# Altium PCB node24.PcbDoc (part 6 of 10) (continued)
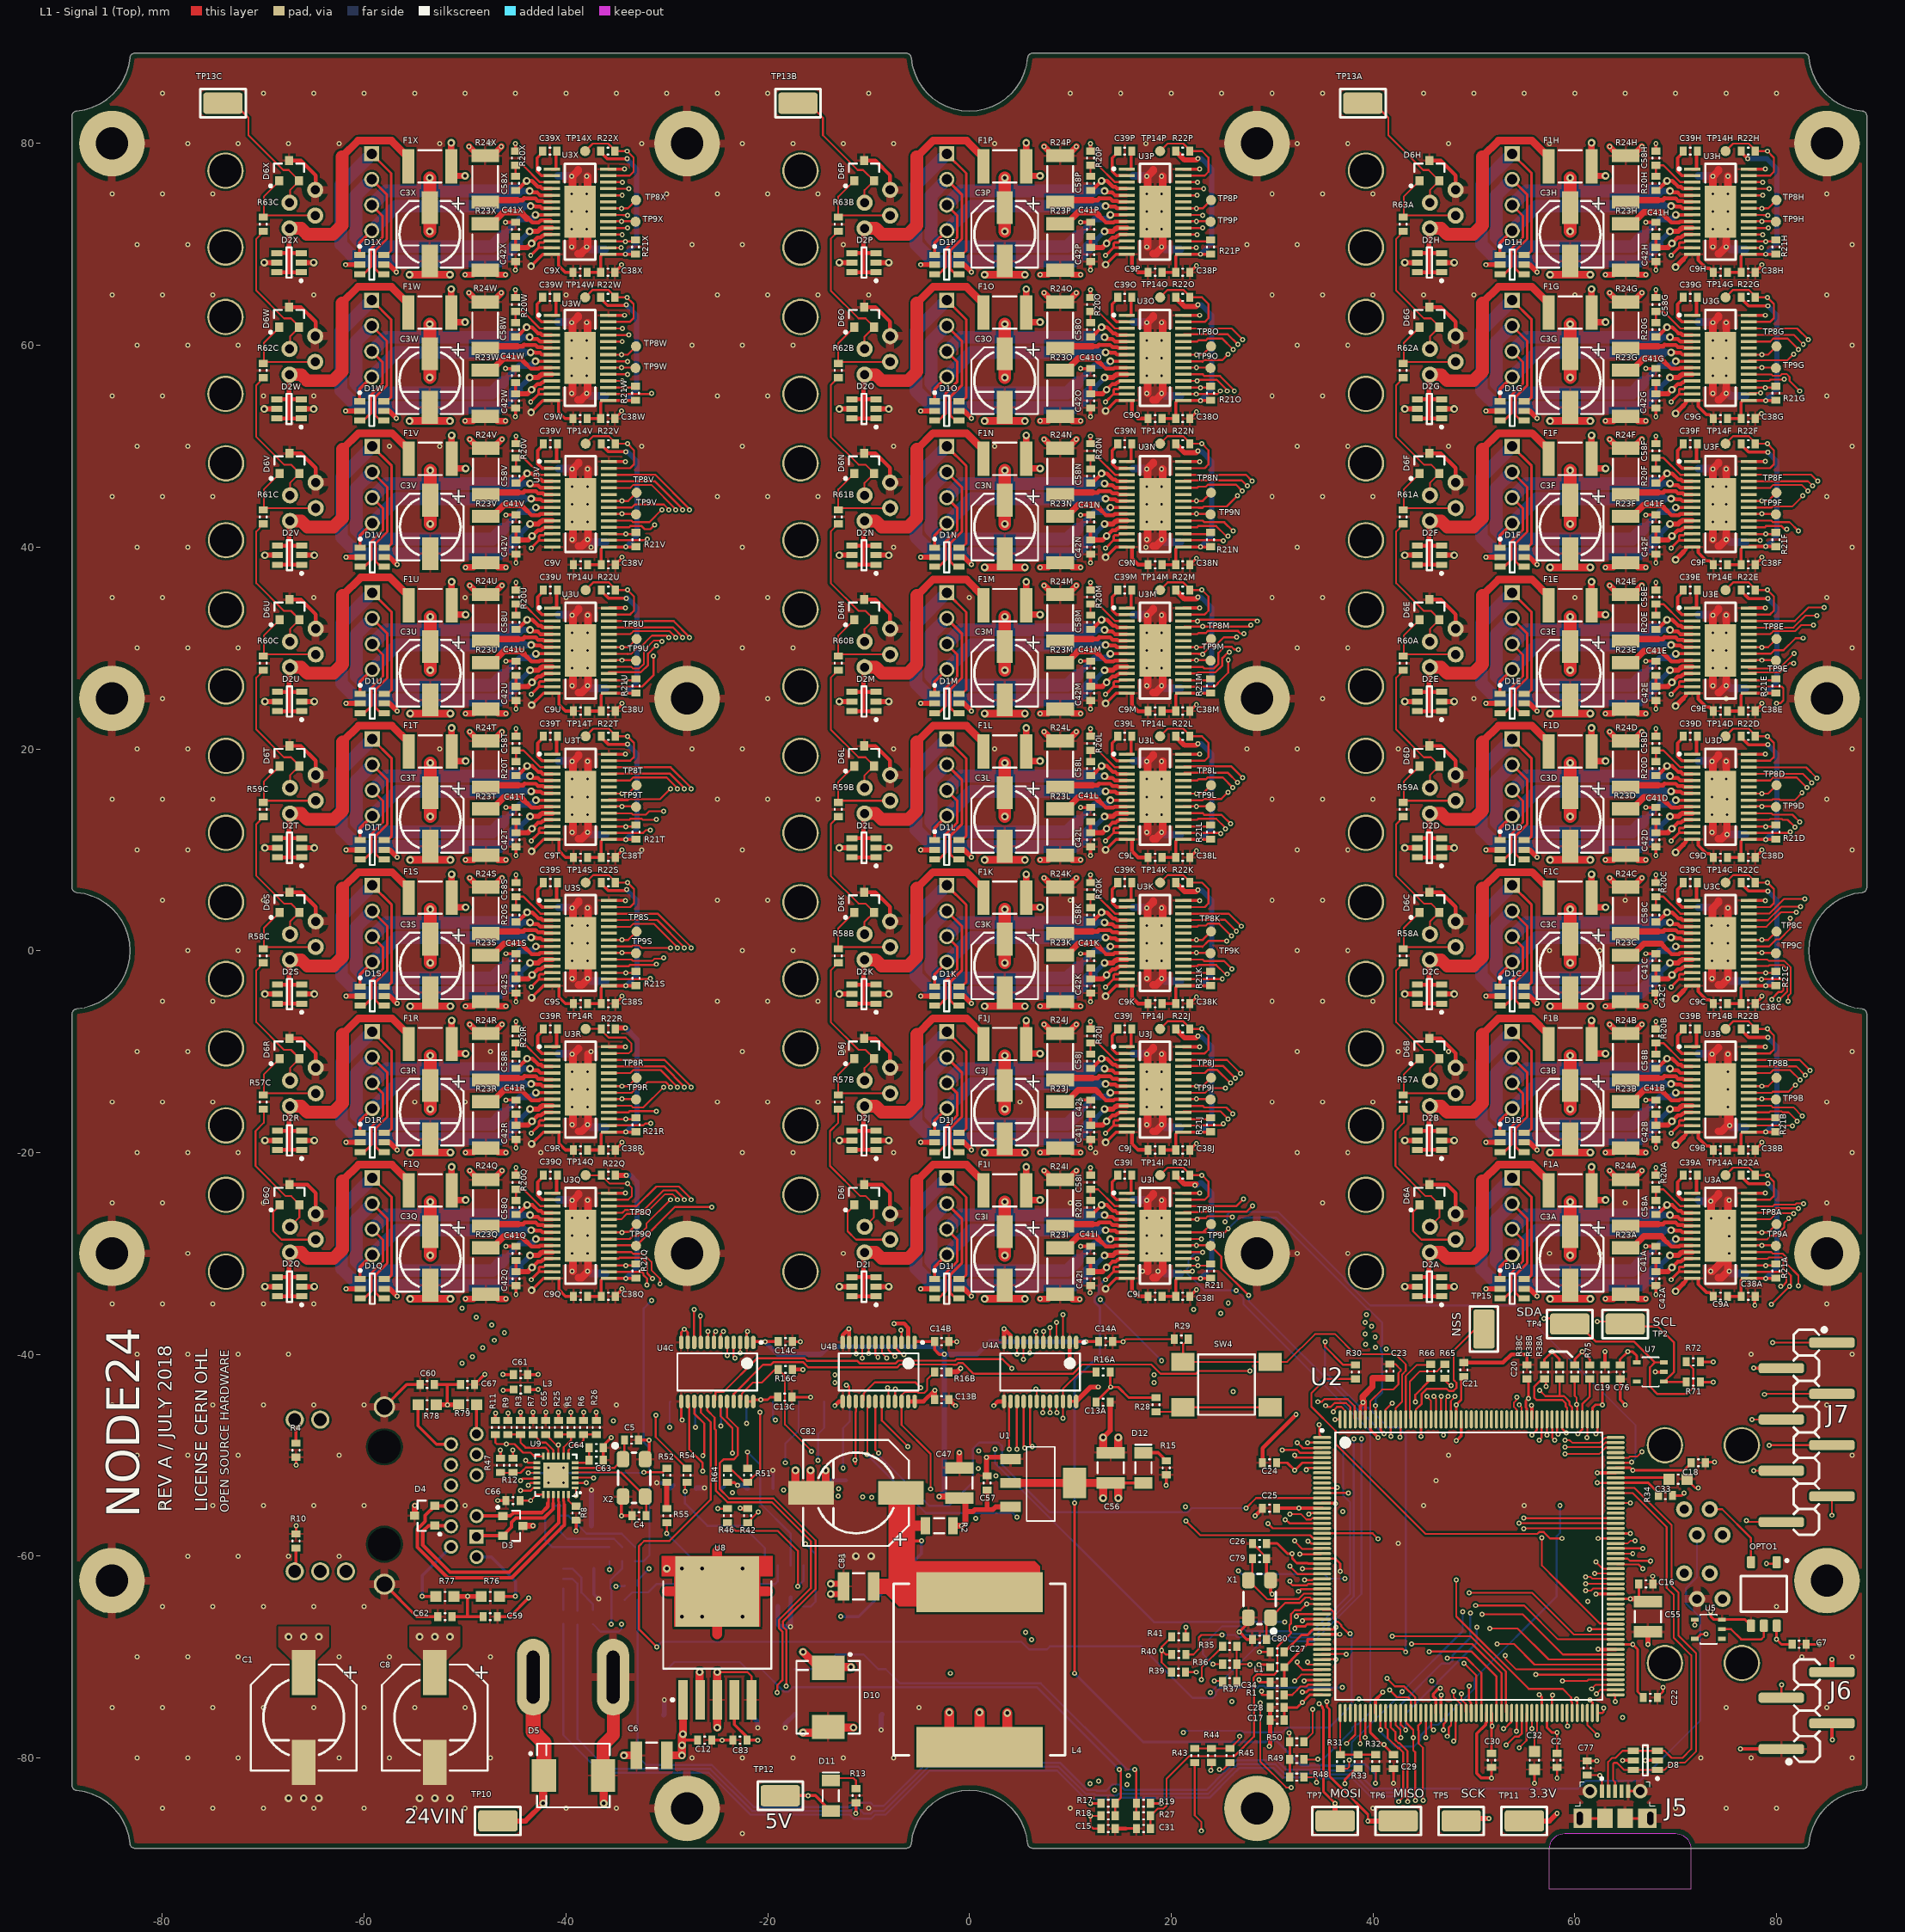
[diagram p0: L1 - Signal 1 (Top) view]
## Nets (pads, with @x,y where several pads share a name; then routed paths per layer and width w, separated by ;. In a path a pad name is that pad's centre, name@x,y a point inside that pad or via, vN(x,y) a via of type N, cw(c..) or ccw(c..) an arc to the next point about the centre after c; other vN are vias at no path point) (continued)
DRV-BANKA-nFAULT: R38A.1 U2.161 U3A.18 U3B.18 U3C.18 U3D.18 U3E.18 U3F.18 U3G.18 U3H.18 | length 181.7
  L1 - Signal 1 (Top) w0.18: R38A.1@60,-42.45 60,-44.125 60.198,-44.323 v1(60.198,-44.958) 60.25,-45.01 U2.161@60.25,-46.45 ; U3A.18@77.25,-30.525 79.125,-30.525 79.25,-30.4 80.483,-30.4 80.671,-30.588 80.671,-31.428 81.432,-32.189 81.432,-33.317 81.374,-33.259 v1(81.3,-33.259) v1(79.507,-35.052) ; U3B.18@77.25,-16.025 79.292,-16.025 79.388,-15.93 80.512,-15.93 80.608,-16.025 81.202,-16.025 v1(82.063,-16.887) ; U3C.18@77.25,-1.525 79.2,-1.525 79.295,-1.43 80.68,-1.43 81.054,-1.803 81.054,-4.071 80.3,-4.825 v1(80.237,-4.825) ; U3D.18@77.25,12.975 79.292,12.975 79.388,13.07 80.512,13.07 80.608,12.975 81.115,12.975 v1(81.832,12.257) ; U3E.18@77.25,27.475 77.25,27.57 80.37,27.57 80.812,28.013 80.823,28.013 81.311,28.5 v1(81.7,28.5)
  L1 - Signal 1 (Top) w0.203: U3F.18@77.25,41.975 78.867,41.975 78.974,42.082 80.517,42.082 80.816,41.783 v1(81.026,41.783) ; U3G.18@77.25,56.475 79.276,56.475 79.383,56.582 79.451,56.582 79.477,56.607 80.737,56.607 v1(80.772,56.642) ; U3H.18@77.25,70.975 v1(78.625,70.975)
  L5 - Signal 3 w0.18: v1(60.198,-44.958) 61.24,-46 63.704,-46 63.846,-45.857 67.129,-45.857 67.49,-45.497 70.4,-45.497 70.427,-45.524 73.225,-42.726 73.225,-42.533 73.717,-42.042 74.285,-42.042 76.967,-39.359 76.967,-37.592 v1(79.507,-35.052) ; v1(78.625,70.975) 79.017,70.975 80.421,69.57 80.421,56.994 81.613,55.802 81.613,53.926 80.586,52.898 80.586,42.216 82.336,40.466 82.336,36.826 81.061,35.551 81.061,32.541 81.072,32.529 81.072,29.128 v1(81.7,28.5) 81.7,27.82 80.543,26.663 80.543,13.547 v1(81.832,12.257) 81.87,12.22 81.87,10.602 80.412,9.144 80.412,3.589 80.183,3.36 80.183,-3.683 80.4,-3.901 80.4,-4.661 v1(80.237,-4.825) 80.237,-15.06 v1(82.063,-16.887) 82.101,-16.925 82.101,-18.784 80.297,-20.588 80.297,-31.821 81.3,-32.824 v1(81.3,-33.259)
DRV-BANKA-nRESET: U2.98 U3A.16 U3B.16 U3C.16 U3D.16 U3E.16 U3F.16 U3G.16 U3H.16 | length 197.2
  L1 - Signal 1 (Top) w0.18: v1(59.309,-76.835) 59.25,-76.776 U2.98@59.25,-75.55 U2.98@59.309,-75.491 ; U3A.16@77.25,-31.825 77.25,-31.83 80.512,-31.83 80.983,-32.301 80.983,-32.834 80.775,-33.042 80.775,-33.101 80.603,-33.273 v1(80.415,-33.273) ; U3B.16@77.25,-17.325 81.528,-17.325 v1(81.577,-17.373) ; U3D.16@77.25,11.675 81.25,11.675 v1(81.346,11.771)
  L1 - Signal 1 (Top) w0.203: U3C.16@77.25,-2.825 v1(78.525,-2.825) 78.532,-2.818 80.517,-2.818 80.682,-2.983 80.682,-3.917 80.517,-4.082 80.222,-4.082 79.548,-4.755 v1(79.548,-4.825) ; U3E.16@77.25,26.175 77.257,26.182 80.517,26.182 80.682,26.017 80.682,24.807 80.4,24.525 v1(80,24.525) ; U3F.16@77.25,40.675 v1(78.4,40.675) ; U3G.16@77.25,55.175 77.359,55.284 v1(78.416,55.284) ; U3H.16@77.25,69.675 v1(78.525,69.675)
  L5 - Signal 3 w0.18: v1(59.309,-76.835) 66.231,-76.835 72.158,-70.908 72.158,-69.016 72.9,-68.274 73.217,-68.274 73.524,-67.967 73.524,-67.65 80.415,-60.76 v1(80.415,-33.273) 79.936,-32.794 79.936,-20.439 81.577,-18.798 v1(81.577,-17.373) 79.876,-15.673 79.876,-5.206 79.548,-4.878 v1(79.548,-4.825)
  L5 - Signal 3 w0.2: v1(78.525,69.675) 77.592,68.742 77.592,60.008 77.991,59.609 78.771,59.609 79.084,59.296 79.084,57.084 78.366,56.366 78.366,55.334 v1(78.416,55.284) 78.416,54.084 78.716,53.784 78.721,53.784 79.034,53.471 79.034,53.029 78.721,52.716 78.716,52.716 78.366,52.366 78.366,45.634 79.084,44.916 79.084,42.834 78.416,42.166 78.416,40.691 v1(78.4,40.675) 78.4,40.581 78.416,40.566 78.416,39.804 78.685,39.534 78.966,39.534 80.69,37.81 80.69,32.387 80.702,32.376 80.702,27.346 80,26.644 v1(80,24.525)
  L5 - Signal 3 w0.203: v1(79.548,-4.825) 79.548,-4.755 79.896,-4.407 79.896,-3.923 79.811,-3.838 79.811,9.311 81.346,10.846 v1(81.346,11.771) 81.346,11.976 80,13.322 v1(80,24.525)
DRV-BANKA-STEP-0: TP8A.1 U2.165 U3A.22 | length 40.3
  L1 - Signal 1 (Top) w0.203: U2.165@58.25,-46.45 58.25,-47.801 v1(58.349,-47.901) ; U3A.22@77.25,-27.925 v1(78.55,-27.925) 79.175,-27.925 TP8A.1@80,-27.1
  L5 - Signal 3 w0.203: v1(58.349,-47.901) 58.349,-45.026 59.336,-44.039 66.341,-44.039 66.844,-44.541 70.027,-44.541 73.282,-41.286 73.972,-41.286 76.11,-39.148 76.11,-34.739 77.989,-32.86 77.989,-28.486 v1(78.55,-27.925)
DRV-BANKA-STEP-1: TP8B.1 U2.167 U3B.22 | length 54.8
  L1 - Signal 1 (Top) w0.203: v1(57.25,-48) U2.167@57.25,-46.45 ; U3B.22@77.25,-13.425 v1(78.55,-13.425) 79.175,-13.425 TP8B.1@80,-12.6
  L5 - Signal 3 w0.203: v1(57.25,-48) 57.25,-45.045 57.252,-45.043 57.252,-45.039 59.019,-43.271 66.659,-43.271 67.161,-43.774 69.383,-43.774 75.343,-37.814 75.343,-34.422 77.222,-32.542 77.222,-14.753 v1(78.55,-13.425)
DRV-BANKA-STEP-2: TP8C.1 U2.169 U3C.22 | length 70.1
  L1 - Signal 1 (Top) w0.203: v1(55.75,-48) 56.25,-47.5 U2.169@56.25,-46.45 ; U3C.22@77.25,1.075 v1(78.55,1.075) 79.175,1.075 TP8C.1@80,1.9
  L5 - Signal 3 w0.203: v1(55.75,-48) 56.261,-47.489 56.261,-44.94 58.697,-42.504 66.976,-42.504 67.479,-43.007 68.984,-43.007 74.576,-37.416 74.576,-34.104 76.352,-32.327 76.352,-32.233 76.352,-1.123 v1(78.55,1.075)
DRV-BANKA-STEP-3: TP8D.1 U2.173 U3D.22 | length 114.5
  L1 - Signal 1 (Top) w0.18: U2.173@54.25,-46.45 54.25,-45.492 53.975,-45.217 53.975,-44.783 54.25,-44.508 v1(54.25,-44.25)
  L1 - Signal 1 (Top) w0.203: U3D.22@77.25,15.575 v1(78.55,15.575) 79.175,15.575 TP8D.1@80,16.4
  L5 - Signal 3 w0.18: v1(54.25,-44.25) 54.292,-44.25 56.771,-41.772 67.28,-41.772 67.783,-42.275 68.551,-42.275 73.843,-36.982 73.843,-33.189 74.574,-32.457 74.574,-32.263 ; v1(78.55,15.575) 77.584,14.609 77.584,2.248 74.574,-0.762 ; 74.574,-32.263 74.574,-0.762 ; 74.574,-32.263 74.574,-0.762
DRV-BANKA-STEP-4: TP8E.1 U2.109 U3E.22 | length 132
  L1 - Signal 1 (Top) w0.18: v1(56.134,-71.755) 64.045,-71.755 U2.109@64.05,-71.75
  L1 - Signal 1 (Top) w0.203: U3E.22@77.25,30.075 v1(78.55,30.075) 79.175,30.075 TP8E.1@80,30.9
  L5 - Signal 3 w0.18: v1(56.134,-71.755) 53.365,-68.986 53.365,-44.867 53.115,-44.617 53.115,-43.883 53.633,-43.365 54.157,-43.365 56.526,-40.996 67.502,-40.996 67.633,-40.865 68.736,-40.865 72.958,-36.643 72.958,-23.38 73,-23.338 73.037,1.18 76.817,4.961 76.817,15.052 77.605,15.84 77.605,29.114 78.55,30.059 v1(78.55,30.075)
DRV-BANKA-STEP-5: TP8F.1 U2.111 U3F.22 | length 147
  L1 - Signal 1 (Top) w0.18: v1(52.324,-68.707) 53.975,-68.707 56.018,-70.75 U2.111@64.05,-70.75
  L1 - Signal 1 (Top) w0.203: U3F.22@77.25,44.575 v1(78.55,44.575) 79.175,44.575 TP8F.1@80,45.4
  L5 - Signal 3 w0.18: v1(52.324,-68.707) 52.324,-43.654 53.334,-42.643 53.858,-42.643 56.227,-40.275 67.203,-40.275 67.335,-40.143 67.984,-40.143 72.187,-35.941 72.187,-23.675 72.187,3.302 76.05,7.165 76.05,15.37 76.838,16.158 76.838,29.432 77.605,30.199 77.605,40.218 77.515,40.308 77.515,43.54 v1(78.55,44.575)
DRV-BANKA-STEP-6: TP8G.1 U2.113 U3G.22 | length 161.5
  L1 - Signal 1 (Top) w0.18: v1(50.8,-65.786) 54.864,-65.786 58.828,-69.75 U2.113@64.05,-69.75
  L1 - Signal 1 (Top) w0.203: U3G.22@77.25,59.075 v1(78.55,59.075) 79.175,59.075 TP8G.1@80,59.9
  L5 - Signal 3 w0.18: v1(50.8,-65.786) 50.8,-43.708 55.644,-38.865 61.117,-38.865 67.775,-38.865 71.46,-35.179 71.46,3.76 74.543,6.843 74.543,15.514 75.969,16.939 75.969,29.667 76.838,30.537 76.838,39.965 76.793,40.01 76.793,43.903 77.53,44.64 77.53,58.055 v1(78.55,59.075)
DRV-BANKA-STEP-7: TP8H.1 U2.117 U3H.22 | length 175.5
  L1 - Signal 1 (Top) w0.18: v1(49.53,-63.627) 55.753,-63.627 59.901,-67.775 64.025,-67.775 U2.117@64.05,-67.75
  L1 - Signal 1 (Top) w0.203: U3H.22@77.25,73.575 v1(78.55,73.575) 79.175,73.575 TP8H.1@80,74.4
  L5 - Signal 3 w0.18: v1(49.53,-63.627) 49.53,-43.958 55.345,-38.143 61.415,-38.143 67.14,-38.143 70.739,-34.544 70.739,4.14 73.073,6.474 73.073,17.219 74.371,18.517 74.371,33.807 76.048,35.484 76.048,44.272 76.809,45.034 76.809,71.834 v1(78.55,73.575)
DRV-BANKA-VREF: R31.1 U3A.12 U3A.13 U3B.12 U3B.13 U3C.12 U3C.13 U3D.12 U3D.13 U3E.12 U3E.13 U3F.12 U3F.13 U3G.12 U3G.13 U3H.12 U3H.13 | length 212.9
  L1 - Signal 1 (Top) w0.18: R31.1@36.786,-81.077 37.465,-81.077 37.661,-80.881 v1(37.661,-80.216)
  L1 - Signal 1 (Top) w0.254: v1(69.55,-32.6) 70.35,-31.8 ; v1(69.55,-18.1) 70.35,-17.3 ; v1(69.55,-3.6) 70.35,-2.8 ; v1(69.55,10.9) 70.35,11.7 ; v1(69.55,25.4) 70.35,26.2 ; v1(69.55,39.9) 70.35,40.7 ; v1(69.55,54.4) 70.35,55.2 ; v1(69.55,68.9) 70.35,69.7 ; U3A.13@71.65,-31.825 70.375,-31.825 70.35,-31.8 ; U3A.12@71.65,-31.175 70.96,-31.175 70.812,-31.323 70.427,-31.323 70.35,-31.4 70.35,-31.8 ; U3B.13@71.65,-17.325 70.375,-17.325 70.35,-17.3 ; U3B.12@71.65,-16.675 70.96,-16.675 70.812,-16.823 70.427,-16.823 70.35,-16.9 70.35,-17.3 ; U3C.13@71.65,-2.825 70.375,-2.825 70.35,-2.8 ; U3C.12@71.65,-2.175 70.96,-2.175 70.812,-2.323 70.427,-2.323 70.35,-2.4 70.35,-2.8 ; U3D.13@71.65,11.675 70.375,11.675 70.35,11.7 ; U3D.12@71.65,12.325 70.96,12.325 70.812,12.177 70.427,12.177 70.35,12.1 70.35,11.7 ; U3E.13@71.65,26.175 70.375,26.175 70.35,26.2 ; U3E.12@71.65,26.825 70.96,26.825 70.812,26.677 70.427,26.677 70.35,26.6 70.35,26.2 ; U3F.13@71.65,40.675 70.375,40.675 70.35,40.7 ; U3F.12@71.65,41.325 70.96,41.325 70.812,41.177 70.427,41.177 70.35,41.1 70.35,40.7 ; U3G.13@71.65,55.175 70.375,55.175 70.35,55.2 ; U3G.12@71.65,55.825 70.96,55.825 70.812,55.677 70.427,55.677 70.35,55.6 70.35,55.2 ; U3H.13@71.65,69.675 70.375,69.675 70.35,69.7 ; U3H.12@71.65,70.325 70.96,70.325 70.812,70.177 70.427,70.177 70.35,70.1 70.35,69.7
  L5 - Signal 3 w0.18: v1@42.875,-73.564 v1(42.875,-73.457) ; v1(48.895,-65.532) 48.895,-44.083 55.195,-37.783 61.565,-37.783 66.865,-37.783 68.961,-35.687 68.961,-33.189 v1(69.55,-32.6) 69.55,-32.431 70.358,-31.623 70.358,-30.187 69.72,-29.548 69.68,-29.548 68.453,-28.321 68.453,-23.622 69.215,-22.86 69.215,-18.435 v1(69.55,-18.1) 69.281,-18.1 68.326,-17.145 68.326,-8.128 69.342,-7.112 69.342,-3.808 v1(69.55,-3.6) 69.386,-3.6 68.199,-2.413 68.199,5.715 68.961,6.477 68.961,10.311 v1(69.55,10.9) 68.498,11.952 68.498,20.492 69.088,21.082 69.088,24.938 v1(69.55,25.4) 68.453,26.497 68.453,34.798 68.961,35.306 68.961,39.311 v1(69.55,39.9) 67.945,41.505 67.945,48.387 68.834,49.276 68.834,53.684 v1(69.55,54.4) 68.199,55.751 68.199,63.754 68.834,64.389 68.834,68.184 v1(69.55,68.9)
  L6 - Signal 4 (Bot) w0.18: v1(37.661,-80.216) 37.9,-79.978 37.9,-78.453 38.533,-77.819 38.619,-77.819 v1@42.875,-73.564 ; v1(42.875,-73.457) 48.895,-67.437 v1(48.895,-65.532)
DRV-BANKABCD-DECAY: R48.1 R49.1 R50.1 U2.49 | length 12
  L1 - Signal 1 (Top) w0.18: v1(31.7,-77.55) 31.75,-77.6 R50.1@31.75,-78.41
  L1 - Signal 1 (Top) w0.254: R48.1@31.75,-81.91 R49.1@31.75,-80.16 R50.1@31.75,-78.41 ; v1(33.172,-72.39) 33.27,-72.293 34.907,-72.293 U2.49@34.95,-72.25
  L2 - Signal 2 w0.254: v1(31.7,-77.55) 31.7,-73.837 33.147,-72.39 v1(33.172,-72.39)
  L5 - Signal 3 w0.254: v1@33.147,-72.39 v1(33.172,-72.39)
DRV-BANKABCD-MODE0: R35.1 R36.1 R37.1 U2.46 | length 12.8
  L1 - Signal 1 (Top) w0.18: R37.1@26.5,-72.462 R36.1@26.5,-70.712 ; R35.1@26.5,-68.962 R36.1@26.5,-70.712 ; v1@27.788,-70.712 R36.1@26.5,-70.712 ; v1(33.528,-70.485) 33.528,-70.722 33.5,-70.75 U2.46@34.95,-70.75
  L2 - Signal 2 w0.18: v1(27.813,-70.739) 28.338,-70.214 28.794,-70.214 29.048,-69.96 32.729,-69.96 33.254,-70.485 v1(33.528,-70.485)
DRV-BANKABCD-MODE1: R39.1 R40.1 R41.1 U2.47 | length 26.4
  L1 - Signal 1 (Top) w0.2: R39.1@20.025,-71.5 19.05,-70.525 v1(19.05,-69.342) ; R40.1@20.05,-69.75 19.458,-69.75 v1(19.05,-69.342) ; R41.1@20.05,-68 19.05,-69 v1(19.05,-69.342) ; v1(32.512,-70.485) 32.512,-70.762 33.034,-71.284 34.916,-71.284 U2.47@34.95,-71.25
  L5 - Signal 3 w0.2: v1(19.05,-69.342) 23.342,-73.634 23.342,-74.042 24.1,-74.8 25.657,-74.8 25.814,-74.956 26.256,-74.956 27.198,-74.015 29.103,-74.015 32.512,-70.606 v1(32.512,-70.485)
DRV-BANKABCD-MODE2: R43.1 R44.1 R45.1 U2.48 | length 17.8
  L1 - Signal 1 (Top) w0.18: R43.1@22.34,-79.06 22.344,-79.056 R44.1@24.003,-79.056 24.007,-79.06 R45.1@25.84,-79.06 26.797,-78.103 v1(26.797,-77.851) ; v1(32.25,-72.39) 32.89,-71.75 U2.48@34.95,-71.75
  L2 - Signal 2 w0.18: v1(26.797,-77.851) 30.281,-77.851 31.302,-76.829 31.302,-73.338 v1(32.25,-72.39)
DRV-BANKABCD-VREF: R31.2 R32.2 R33.2 U2.53 | length 7.6
  L1 - Signal 1 (Top) w0.203: U2.53@36.75,-75.55 36.75,-79.641 R31.2@36.786,-79.677 R33.2@38.536,-79.677 R32.2@40.286,-79.677
DRV-BANKB-DECAY: R49.2 U3I.19 U3J.19 U3K.19 U3L.19 U3M.19 U3N.19 U3O.19 U3P.19 | length 218
  L1 - Signal 1 (Top) w0.18: R49.2@33.15,-80.16 34.521,-80.16 v1(34.544,-80.137)
  L1 - Signal 1 (Top) w0.203: U3I.19@21.2,-29.875 v1(23.125,-29.875) ; U3J.19@21.2,-15.375 23.125,-15.375 23.282,-15.532 25.47,-15.532 v1(26.119,-16.181) ; U3K.19@21.2,-0.875 23.125,-0.875 23.282,-1.032 25.245,-1.032 v1(26.032,-1.818) ; U3L.19@21.2,13.625 23.125,13.625 23.282,13.468 24.995,13.468 v1(25.882,12.582) ; U3M.19@21.2,28.125 23.125,28.125 23.282,27.968 24.224,27.968 24.682,28.426 24.682,29.532 25.266,30.117 25.997,30.117 26.264,29.85 v1(26.65,29.85) ; U3N.19@21.2,42.625 23.125,42.625 23.282,42.468 25.257,42.468 v1(26.125,41.6) ; U3O.19@21.2,57.125 23.125,57.125 23.282,56.968 24.828,56.968 26.252,55.545 v1(26.252,55.475) ; U3P.19@21.2,71.625 v1(23.125,71.625)
  L5 - Signal 3 w0.18: v1(23.125,71.625) 24.732,70.018 24.732,57.143 26.252,55.623 v1(26.252,55.475) 26.252,55.422 25.924,55.094 25.924,53.776 24.896,52.749 24.896,42.8 26.096,41.6 v1(26.125,41.6) 26.646,41.079 26.646,36.676 25.585,35.615 25.585,30.915 v1(26.65,29.85) 26.65,28.573 26.021,27.944 24.764,27.944 24.221,27.401 24.221,13.779 25.381,12.619 25.844,12.619 v1(25.882,12.582) 25.919,12.544 25.919,5.974 24.6,4.655 24.6,-0.387 v1(26.032,-1.818) 26.069,-1.856 26.069,-8.451 24.55,-9.97 24.55,-15.075 24.9,-15.425 25.132,-15.425 25.888,-16.181 v1(26.119,-16.181) 26.157,-16.219 26.157,-18.563 24.75,-19.97 24.75,-27.397 25.225,-27.872 25.225,-32.225 26.427,-33.427 v1(26.427,-33.679)
  L6 - Signal 4 (Bot) w0.18: v1(26.427,-33.679) 27.178,-34.431 27.178,-35.052 39.751,-47.625 39.751,-75.438 38.498,-76.691 38.264,-76.691 37.956,-76.999 37.956,-77.233 35.052,-80.137 v1(34.544,-80.137)
  L6 - Signal 4 (Bot) w0.203: v1@23.182,-29.932 v1(23.125,-29.875) 23.011,-29.989 22.353,-29.989 21.717,-30.625 21.717,-31.384 21.564,-31.537 21.564,-31.981 21.878,-32.295 21.953,-32.295 23.337,-33.679 v1(26.427,-33.679)
DRV-BANKB-DIR-0: TP9I.1 U2.200 U3I.20 | length 30.2
  L1 - Signal 1 (Top) w0.203: U3I.20@21.2,-29.225 21.225,-29.2 v1(22.5,-29.2) 23.85,-29.2 TP9I.1@23.9,-29.25 24.968,-30.318 24.968,-31.463 27.668,-34.163 v1(27.686,-34.163)
  L1 - Signal 1 (Top) w0.254: U2.200@40.75,-46.45 40.75,-47.527 v1(41.095,-47.871)
  L6 - Signal 4 (Bot) w0.203: v1(27.686,-34.163) 27.686,-34.732 38.62,-45.666 38.808,-45.666 41.013,-47.871 v1(41.095,-47.871)
DRV-BANKB-DIR-1: TP9J.1 U2.1 U3J.20 | length 42.4
  L1 - Signal 1 (Top) w0.203: U3J.20@21.2,-14.725 21.225,-14.7 v1(22.5,-14.7) 23.85,-14.7 TP9J.1@23.9,-14.75 ; v1(34.671,-46.99) 34.671,-47.971 U2.1@34.95,-48.25
  L5 - Signal 3 w0.203: v1(22.5,-14.7) 21.964,-15.236 21.964,-19.322 21.971,-19.329 21.971,-22.864 21.816,-23.019 21.816,-23.463 21.971,-23.618 21.971,-28.971 21.964,-28.978 21.964,-29.422 21.971,-29.429 21.971,-31.13 21.564,-31.537 21.564,-31.981 21.971,-32.389 21.971,-33.371 21.964,-33.378 21.964,-34.283 32.736,-45.055 32.766,-45.055 34.671,-46.96 v1(34.671,-46.99)
DRV-BANKB-DIR-2: TP9K.1 U2.3 U3K.20 | length 59.9
  L1 - Signal 1 (Top) w0.203: U3K.20@21.2,-0.225 21.225,-0.2 v1(22.5,-0.2) 23.85,-0.2 TP9K.1@23.9,-0.25 ; v1(32.5,-48.75) 33.036,-49.286 34.914,-49.286 U2.3@34.95,-49.25
  L5 - Signal 3 w0.203: v1(22.5,-0.2) 22.5,-0.842 21.939,-1.403 21.939,-13.444 21.172,-14.211 21.172,-22.578 21.049,-22.701 21.049,-23.781 21.172,-23.904 21.172,-30.844 20.797,-31.22 20.797,-32.299 21.172,-32.674 21.172,-37.936 31.986,-48.75 v1(32.5,-48.75)
DRV-BANKB-DIR-3: TP9L.1 U2.5 U3L.20 | length 77.1
  L1 - Signal 1 (Top) w0.203: U3L.20@21.2,14.275 21.225,14.3 v1(22.5,14.3) 23.85,14.3 TP9L.1@23.9,14.25 ; v1(32.25,-50) 32.25,-50.2 32.3,-50.25 U2.5@34.95,-50.25
  L5 - Signal 3 w0.203: v1(22.5,14.3) 21.779,13.579 21.779,0.896 21.172,0.289 21.172,-13.126 20.405,-13.893 20.405,-22.261 20.282,-22.384 20.282,-24.098 20.405,-24.221 20.405,-30.527 20.03,-30.902 20.03,-32.617 20.405,-32.992 20.405,-39.663 30.778,-50.036 32.214,-50.036 v1(32.25,-50)
DRV-BANKB-DIR-4: TP9M.1 U2.80 U3M.20 | length 121.4
  L1 - Signal 1 (Top) w0.203: U3M.20@21.2,28.775 21.225,28.8 v1(22.5,28.8) 23.85,28.8 TP9M.1@23.9,28.75 ; v1(49.022,-70.612) 50.25,-71.84 U2.80@50.25,-75.55
  L5 - Signal 3 w0.203: v1(22.5,28.8) 22.5,28.158 21.939,27.597 21.939,16.117 21.964,16.092 21.964,15.581 21.012,14.629 21.012,1.214 20.405,0.607 20.405,-12.808 19.638,-13.575 19.638,-21.943 19.515,-22.066 19.515,-24.416 19.638,-24.539 19.638,-30.209 19.263,-30.584 19.263,-32.935 19.638,-33.31 19.638,-40.339 34.188,-54.889 34.188,-55.778 v1(49.022,-70.612)
DRV-BANKB-DIR-5: TP9N.1 U2.84 U3N.20 | length 140.7
  L1 - Signal 1 (Top) w0.203: U3N.20@21.2,43.275 21.225,43.3 v1(22.5,43.3) 23.85,43.3 TP9N.1@23.9,43.25 ; v1(45.593,-69.469) 49.784,-69.469 52.25,-71.935 U2.84@52.25,-75.55
  L5 - Signal 3 w0.203: v1(22.5,43.3) 22.5,42.658 21.172,41.33 21.172,15.924 20.245,14.997 20.245,1.532 19.638,0.925 19.638,-10.512 18.131,-12.019 18.131,-30.988 17.75,-31.369 17.75,-32.131 18.131,-32.512 18.131,-41.021 18.669,-41.559 18.699,-41.559 32.124,-54.984 32.124,-55.467 32.287,-55.631 32.287,-56.413 33.488,-57.614 33.922,-57.614 34.461,-58.153 34.461,-58.587 36.838,-60.964 36.972,-60.964 37.286,-61.278 37.402,-61.278 v1(45.593,-69.469)
DRV-BANKB-DIR-6: TP9O.1 U2.86 U3O.20 | length 159.7
  L1 - Signal 1 (Top) w0.203: U3O.20@21.2,57.775 21.225,57.8 v1(22.5,57.8) 23.85,57.8 TP9O.1@23.9,57.75 ; v1(41.91,-67.945) 49.691,-67.945 53.182,-71.436 53.182,-75.482 U2.86@53.25,-75.55
  L2 - Signal 2 w0.203: v1@41.783,-67.945 v1(41.91,-67.945)
  L5 - Signal 3 w0.203: v1(22.5,57.8) 21.939,57.239 21.939,54.942 21.95,54.931 21.95,44.05 20.405,42.505 20.405,17.555 18.514,15.664 18.514,1.606 18.131,1.223 18.131,-8.025 16.226,-9.93 16.226,-32.131 16.937,-32.842 16.937,-39.449 16.656,-39.73 16.656,-43.03 31.589,-57.964 32.472,-57.964 32.786,-58.278 32.786,-59.079 33.16,-59.453 33.261,-59.453 35.556,-61.748 35.556,-62.156 41.345,-67.945 v1@41.783,-67.945
DRV-BANKB-DIR-7: TP9P.1 U2.88 U3P.20 | length 178.4
  L1 - Signal 1 (Top) w0.203: U3P.20@21.2,72.275 21.225,72.3 v1(22.5,72.3) 23.85,72.3 TP9P.1@23.9,72.25 ; v1(54.229,-77.343) 54.229,-75.571 U2.88@54.25,-75.55
  L5 - Signal 3 w0.203: v1(22.5,72.3) 21.825,71.625 21.825,58.425 21.172,57.772 21.172,44.357 19.638,42.823 19.638,20.388 18.35,19.1 18.35,18.533 17.039,17.222 17.039,1.706 16.656,1.323 16.656,-8.219 15.458,-9.417 15.458,-32.449 16.169,-33.16 16.169,-39.131 15.888,-39.412 15.888,-46.904 30.565,-61.58 32.394,-61.58 32.635,-61.821 33.44,-61.821 49.47,-77.851 53.721,-77.851 v1(54.229,-77.343)
DRV-BANKB-MODE0: R36.2 U3I.24 U3J.24 U3K.24 U3L.24 U3M.24 U3N.24 U3O.24 U3P.24 | length 217.5
  L1 - Signal 1 (Top) w0.18: v1(24.13,-70.712) R36.2@25.1,-70.712
  L1 - Signal 1 (Top) w0.203: U3I.24@21.2,-26.625 v1(22.575,-26.625) 22.689,-26.511 23.433,-26.511 23.63,-26.314 25.989,-26.314 v1(26.076,-26.401) ; U3J.24@21.2,-12.125 23.319,-12.125 23.626,-11.818 24.571,-11.818 v1(25.877,-13.123) ; U3K.24@21.2,2.375 22.575,2.375 22.689,2.489 23.433,2.489 23.626,2.682 24.746,2.682 v1(25.977,1.452) ; U3L.24@21.2,16.875 22.575,16.875 22.689,16.989 23.433,16.989 23.626,17.182 25.096,17.182 v1(26.102,16.177) ; U3M.24@21.2,31.375 22.575,31.375 22.689,31.489 23.433,31.489 23.626,31.682 26.626,31.682 26.883,31.425 v1(27.203,31.425) ; U3N.24@21.2,45.875 22.575,45.875 22.689,45.989 23.433,45.989 23.626,46.182 26.446,46.182 v1(27.052,45.577) ; U3O.24@21.2,60.375 22.575,60.375 22.689,60.489 23.433,60.489 23.626,60.682 25.046,60.682 v1(26.127,59.602) ; U3P.24@21.2,74.875 v1(22.575,74.875)
  L5 - Signal 3 w0.18: v1(22.575,74.875) 25.453,71.997 25.453,60.275 v1(26.127,59.602) 27.186,58.542 27.186,54.018 26.561,53.393 26.561,46.067 v1(27.052,45.577) 27.736,44.892 27.736,35.926 26.379,34.569 26.379,32.249 v1(27.203,31.425) 27.635,30.993 27.635,28.538 26.319,27.222 25.222,27.222 24.943,26.943 24.943,17.335 v1(26.102,16.177) 26.767,15.511 26.767,5.132 25.394,3.759 25.394,2.034 v1(25.977,1.452) 26.917,0.511 26.917,-8.968 25.354,-10.531 25.354,-12.601 v1(25.877,-13.123) 27.004,-14.251 27.004,-18.906 25.711,-20.199 25.711,-26.036 v1(26.076,-26.401) 30.715,-26.401 35.9,-31.586 35.9,-32.7 37.739,-34.539 37.739,-47.732 v1(37.084,-48.387)
  L6 - Signal 4 (Bot) w0.18: v1(24.13,-70.712) 23.141,-69.723 23.141,-68.827 23.532,-68.436 23.566,-68.436 25.027,-66.975 26.967,-66.975 27.445,-67.454 31.787,-67.454 32.041,-67.708 33.765,-67.708 37.736,-63.737 37.736,-54.662 37.04,-53.966 v1@37.04,-48.431 ; v1@36.957,-48.514 v1@37.04,-48.431 ; v1(37.084,-48.387) v1@37.04,-48.431
DRV-BANKB-MODE1: R40.2 U3I.25 U3J.25 U3K.25 U3L.25 U3M.25 U3N.25 U3O.25 U3P.25 | length 220.3
  L1 - Signal 1 (Top) w0.18: R40.2@21.45,-69.75 22.198,-69.75 22.733,-69.215 22.733,-68.072 22.987,-67.818 v1(25.019,-67.818)
  L1 - Signal 1 (Top) w0.203: U3I.25@21.2,-25.975 21.267,-25.908 23.114,-25.908 23.157,-25.865 27.475,-25.865 v1(28.05,-25.29) ; U3J.25@21.2,-11.475 21.241,-11.435 25.161,-11.435 v1(26.363,-12.637) ; U3K.25@21.2,3.025 21.223,3.048 23.114,3.048 23.131,3.065 25.336,3.065 v1(26.463,1.938) ; U3L.25@21.2,17.525 21.328,17.653 25.599,17.653 v1(26.588,16.663) ; U3M.25@21.2,32.025 21.306,32.131 v1(23.114,32.131) 27.733,32.131 v1(27.877,32.275) ; U3N.25@21.2,46.525 21.284,46.609 26.993,46.609 v1(27.538,46.063) ; U3O.25@21.2,61.025 21.262,61.087 25.615,61.087 v1(26.613,60.088) ; U3P.25@21.2,75.525 v1(23.225,75.525)
  L5 - Signal 3 w0.18: v1(23.225,75.525) 25.814,72.936 25.814,60.887 v1(26.613,60.088) 27.546,59.155 27.546,53.868 26.921,53.243 26.921,46.68 v1(27.538,46.063) 28.096,45.505 28.096,35.776 27.877,35.556 v1(27.877,32.275) 27.996,32.156 27.996,28.389 26.469,26.862 25.462,26.862 25.303,26.703 25.303,17.948 v1(26.588,16.663) 27.128,16.124 27.128,4.982 25.754,3.609 25.754,2.647 v1(26.463,1.938) 27.278,1.124 27.278,-9.118 25.714,-10.681 25.714,-11.988 v1(26.363,-12.637) 27.365,-13.639 27.365,-19.055 26.071,-20.349 26.071,-24.384 26.977,-25.29 v1(28.05,-25.29) 30.113,-25.29 36.261,-31.437 36.261,-32.551 38.1,-34.39 v1(38.1,-48.387)
  L6 - Signal 4 (Bot) w0.18: v1(25.019,-67.818) 26.326,-67.818 26.533,-68.025 26.967,-68.025 27.174,-67.818 31.641,-67.818 31.891,-68.068 34.04,-68.068 38.1,-64.008 v1(38.1,-48.387)
DRV-BANKB-MODE2: R44.2 U3I.26 U3J.26 U3K.26 U3L.26 U3M.26 U3N.26 U3O.26 U3P.26 | length 232.2
  L1 - Signal 1 (Top) w0.18: v1(23.927,-81.229) 24.079,-81.229 24.003,-81.153 R44.2@24.003,-80.456
  L1 - Signal 1 (Top) w0.203: U3I.26@21.2,-25.325 26.45,-25.325 v1(27.175,-24.6) ; U3J.26@21.2,-10.825 25.525,-10.825 v1(26.85,-12.15) ; U3K.26@21.2,3.675 25.7,3.675 v1(26.95,2.425) ; U3L.26@21.2,18.175 21.313,18.288 25.937,18.288 v1(27.075,17.15) ; U3M.26@21.2,32.675 v1(22.6,32.675) 22.736,32.811 28.402,32.811 v1(28.536,32.677) ; U3N.26@21.2,47.175 27.4,47.175 v1(28.025,46.55) ; U3O.26@21.2,61.675 26,61.675 v1(27.1,60.575) ; U3P.26@21.2,76.175 v1(22.6,76.175)
  L2 - Signal 2 w0.18: v1(23.876,-73.533) v1@23.927,-73.584 ; v1(23.927,-81.229) v1@23.927,-73.584 ; v1@23.978,-73.635 v1@23.927,-73.584
  L5 - Signal 3 w0.18: v1(22.6,76.175) 23.317,76.175 26.175,73.317 26.175,61.5 v1(27.1,60.575) 27.907,59.768 27.907,53.719 27.282,53.094 27.282,47.293 v1(28.025,46.55) 28.457,46.118 28.457,32.756 v1(28.536,32.677) 31.5,29.713 31.5,21.575 v1(27.075,17.15) 27.488,16.737 27.488,4.833 26.115,3.46 26.115,3.26 v1(26.95,2.425) 27.638,1.737 27.638,-9.267 26.075,-10.83 26.075,-11.375 v1(26.85,-12.15) 27.726,-13.026 27.726,-19.204 26.432,-20.498 26.432,-24.003 27.175,-24.746 v1(27.175,-24.6) 27.197,-24.621 29.955,-24.621 36.621,-31.287 36.621,-32.401 38.461,-34.241 38.461,-47.986 v1(38.862,-48.387) ; v1(23.876,-73.533) v1@23.927,-73.584
  L6 - Signal 4 (Bot) w0.18: v1(23.876,-73.533) 29.23,-68.179 31.492,-68.179 31.742,-68.429 34.189,-68.429 38.862,-63.756 v1(38.862,-48.387)
DRV-BANKB-nENBL: U2.151 U3I.21 U3J.21 U3K.21 U3L.21 U3M.21 U3N.21 U3O.21 U3P.21 | length 203.2
  L1 - Signal 1 (Top) w0.18: U3I.21@21.2,-28.575 v1(22.987,-28.575) ; U3J.21@21.2,-14.075 23.39,-14.075 23.855,-13.61 v1(25.39,-13.61) ; U2.151@64.05,-50.75 65.582,-50.75 v1(65.659,-50.673)
  L1 - Signal 1 (Top) w0.203: U3K.21@21.2,0.425 23.062,0.425 23.087,0.4 ; U3L.21@21.2,14.925 23.062,14.925 23.087,14.9 ; U3M.21@21.2,29.425 23.062,29.425 v1@23.087,29.4 ; U3N.21@21.2,43.925 23.062,43.925 23.087,43.9 ; U3O.21@21.2,58.425 23.062,58.425 23.1,58.387 23.245,58.532 25.057,58.532 v1(25.64,59.115) ; U3P.21@21.2,72.925 23.062,72.925 v1(23.1,72.887) ; 22.7,0.4 23.087,0.4 ; 22.7,14.9 23.087,14.9 ; 22.7,29.4 v1@23.087,29.4 ; 22.7,43.9 23.087,43.9 ; v1(25.49,0.965) 23.678,0.965 23.1,0.387 23.087,0.4 ; v1(25.615,15.69) 24.957,15.032 23.245,15.032 23.1,14.887 23.087,14.9 ; v1(26.475,31.075) 25.231,31.075 24.274,30.118 23.832,30.118 v1(23.1,29.387) v1@23.087,29.4 ; v1(26.565,45.09) 25.507,44.032 23.245,44.032 23.1,43.887 23.087,43.9
  L2 - Signal 2 w0.18: v1(22.987,-28.575) 23.622,-27.94 24.26,-27.94 v1(25.35,-26.85)
  L5 - Signal 3 w0.18: v1(23.1,72.887) 25.093,70.894 25.093,59.662 v1(25.64,59.115) 26.825,57.93 26.825,54.167 26.2,53.542 26.2,45.686 26.565,45.322 v1(26.565,45.09) 27.375,44.28 27.375,36.075 26.018,34.718 26.018,31.532 v1(26.475,31.075) 27.275,30.275 27.275,28.688 26.17,27.583 24.913,27.583 24.582,27.252 24.582,16.723 v1(25.615,15.69) 25.615,13.59 26.406,12.799 26.406,5.281 25.033,3.908 25.033,1.422 v1(25.49,0.965) 26.556,-0.102 26.556,-8.819 24.993,-10.382 24.993,-12.982 25.39,-13.378 v1(25.39,-13.61) 26.644,-14.864 26.644,-18.756 25.35,-20.05 v1(25.35,-26.85)
  L6 - Signal 4 (Bot) w0.18: v1(25.35,-26.85) 25.426,-26.926 25.552,-26.8 25.552,-26.184 25.859,-25.877 30.576,-25.877 37.229,-32.53 37.229,-32.668 39.722,-35.16 54.16,-35.16 66.04,-47.04 66.04,-50.292 v1(65.659,-50.673)